# Altium PCB x_pmu_board.pcbdoc (part 3 of 3)
Units mm, origin at the board's own origin, x right, y up, seen from the top; angles counter-clockwise.
Board outline 103 x 86.5 mm, 4 copper layers (Top Layer, GND, Power, Bottom Layer), stack 1.57 mm thick; 226 components, 176 nets, 875 pads, 332 vias.
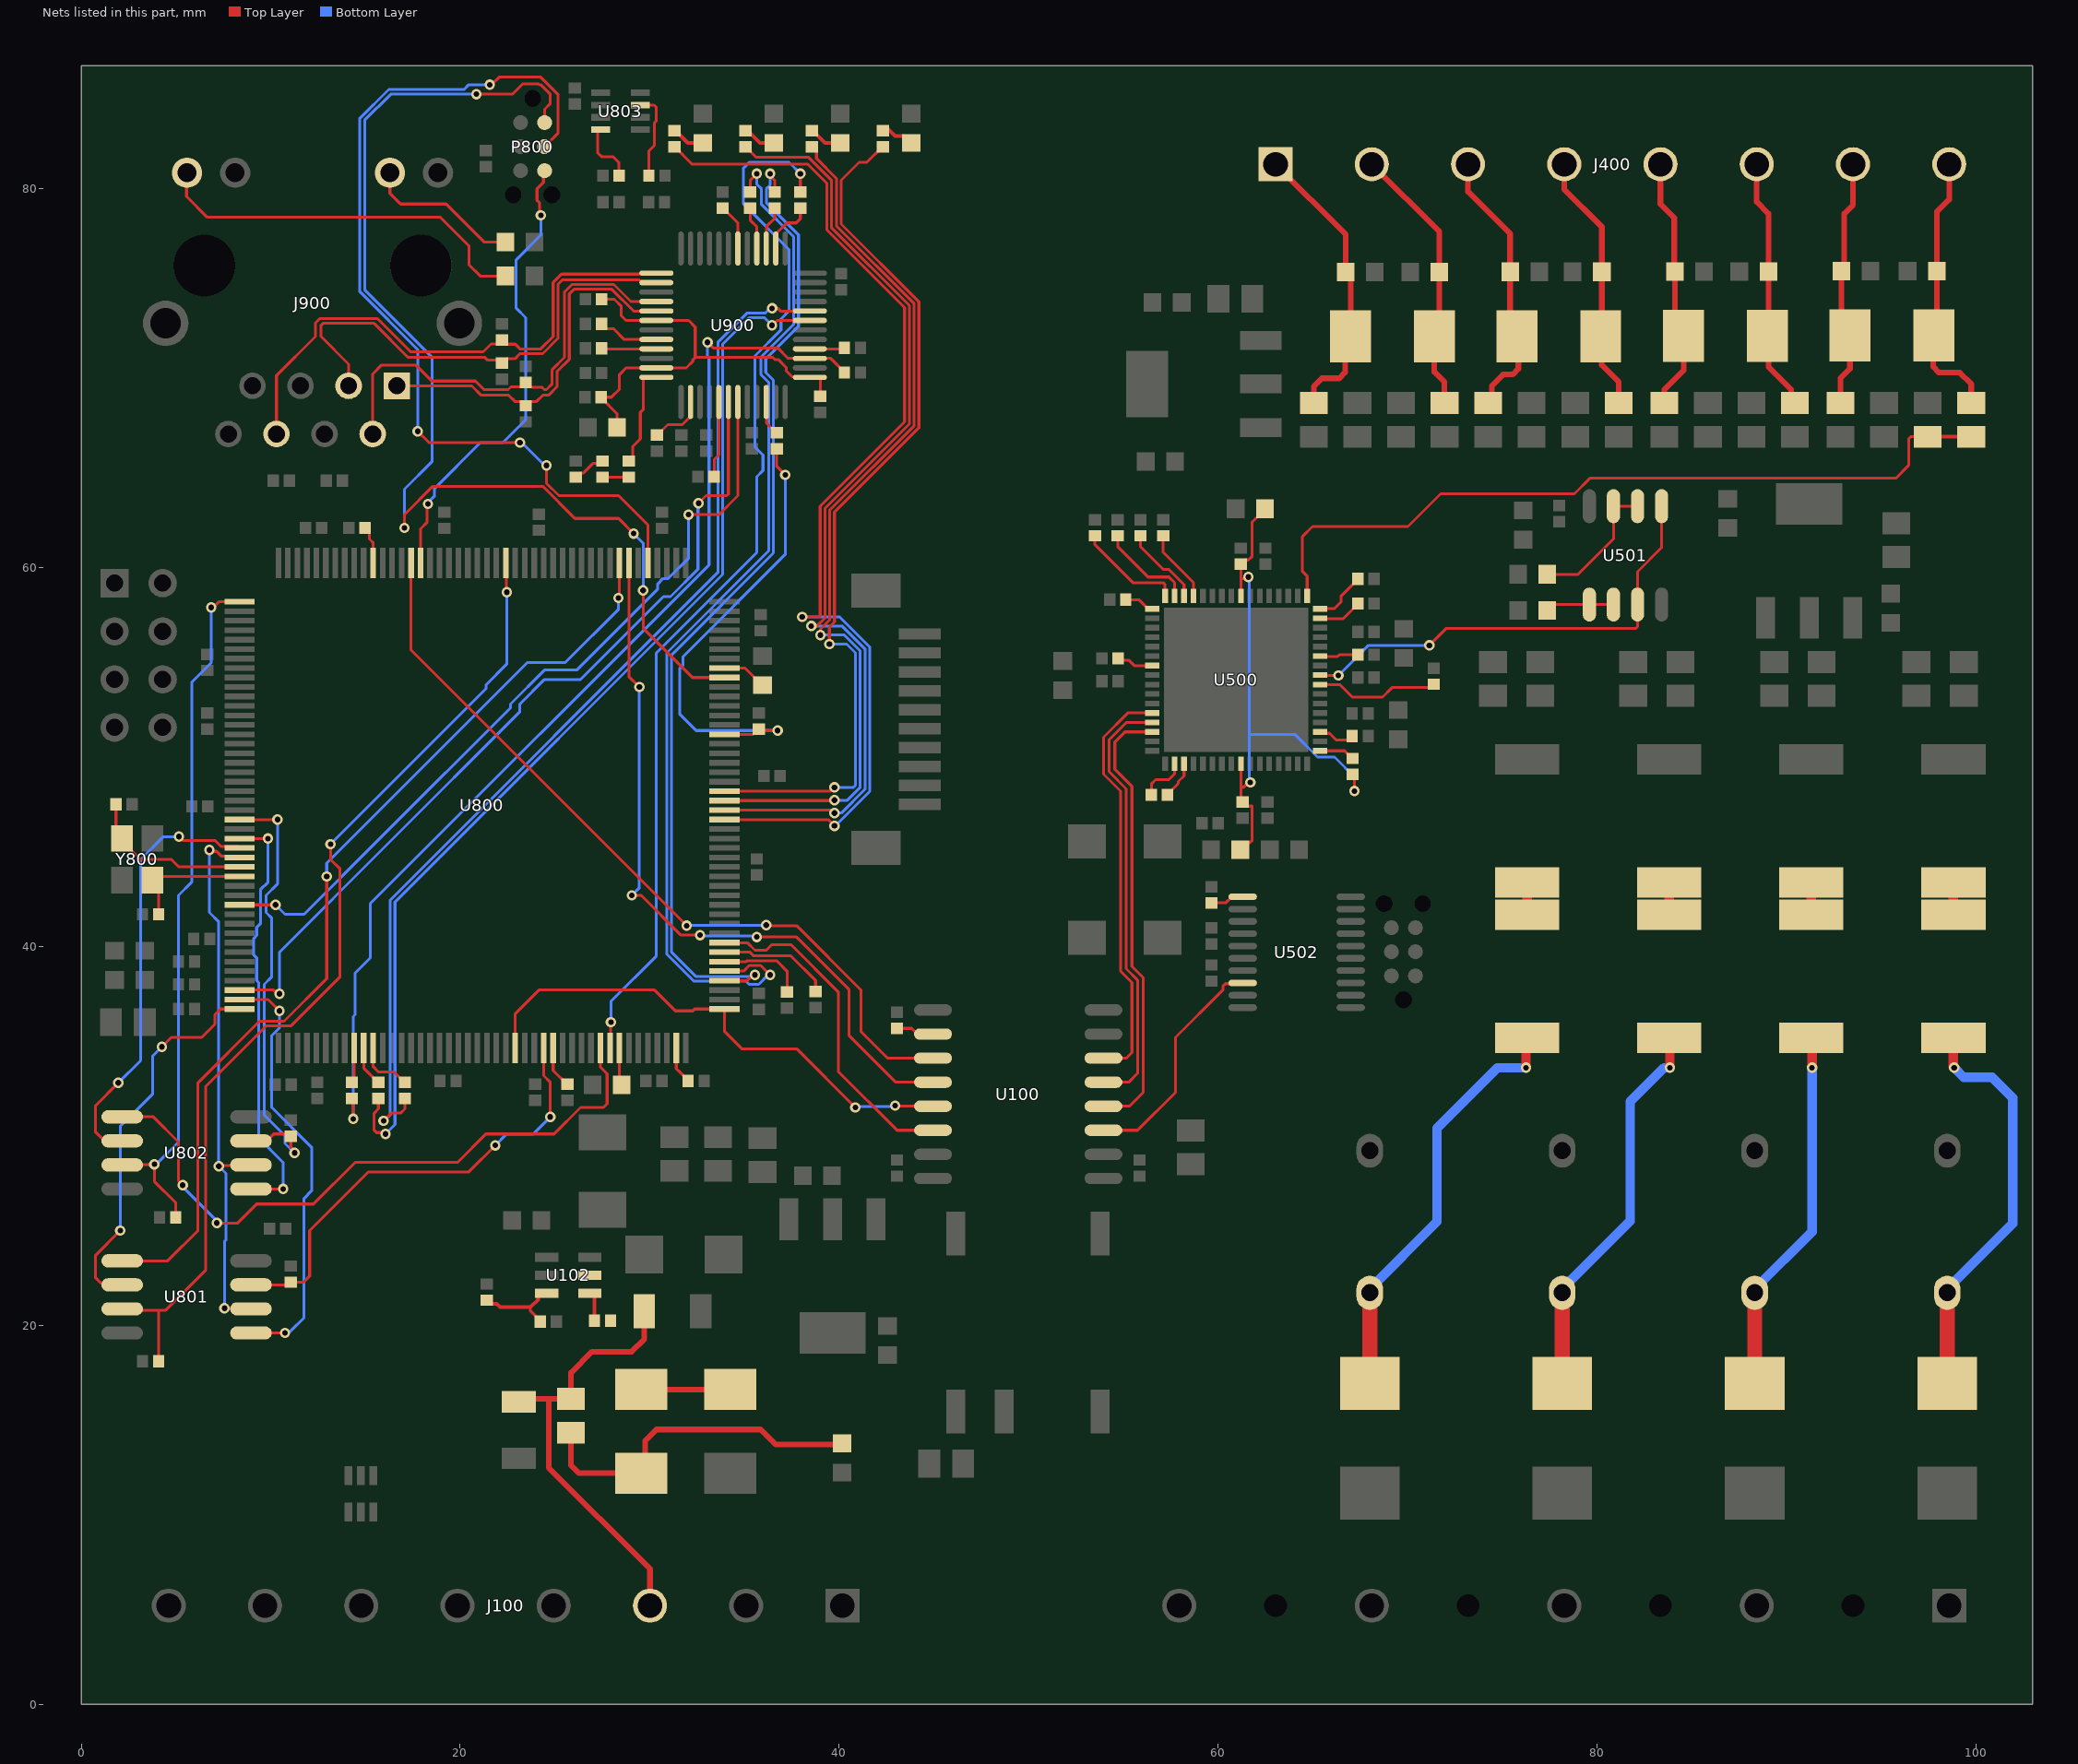
[diagram p5: the nets of this part, all layers, seen from the top]

## Via types
v1: diameter 0.55, hole 0.3, Top Layer to Bottom Layer, 330 vias
v2: diameter 1.27, hole 0.5, Top Layer to Bottom Layer, 2 vias

## Nets (pads, with @x,y where several pads share a name; then routed paths per layer and width w, separated by ;. In a path a pad name is that pad's centre, name@x,y a point inside that pad or via, vN(x,y) a via of type N, cw(c..) or ccw(c..) an arc to the next point about the centre after c; other vN are vias at no path point) (continued)
NetC407_1: C407.1 R415.1 U500.1 | length 41.5
  Top Layer w0.15: U500.1@64.705,58.507 64.705,59.552 64.457,59.8 64.457,61.646 64.983,62.172 70.027,62.172 71.755,63.9 78.811,63.9 79.633,64.722 95.777,64.722 96.455,65.4 96.455,66.8 96.565,66.91 C407.1@97.455,66.91
  Top Layer w0.2: C407.1@97.455,66.91 R415.1@99.755,66.91
NetC505_2: C505.2 U500.51 | length 2
  Top Layer w0.15: U500.51@65.382,51.33 65.457,51.255 65.883,51.255 66.23,50.907 66.88,50.907 C505.2@67.08,51.107
NetC512_2: C512.2 U500.59 | length 2
  Top Layer w0.15: U500.59@65.382,55.33 65.405,55.307 66.305,55.307 66.405,55.407 C512.2@67.38,55.407
NetC515_2: C515.2 U500.23 | length 2
  Top Layer w0.15: C515.2@54.73,55.207 54.83,55.107 55.305,55.107 55.582,54.83 U500.23@56.528,54.83
NetC516_1: C516.1 C517.2 C519.1 C520.2 R506.1 U500.8 U500.41 | length 30.1
  Top Layer w0.15: U500.41@61.205,49.653 61.205,48.407 ; U500.8@61.205,58.507 61.205,59.345 ; C519.1@61.605,45.407 61.807,45.609 61.807,47.156 61.805,47.157 61.805,47.407 61.53,47.407 C516.1@61.305,47.632 61.205,47.732 61.205,48.407 ; v1(61.605,59.507) 61.528,59.431 61.291,59.431 61.205,59.345 ; v1(61.705,48.659) 61.597,48.659 61.345,48.407 61.205,48.407 ; C520.2@62.475,63.107 62.475,63.082 61.805,62.412 61.805,60.607 61.605,60.407 61.43,60.407 C517.2@61.205,60.182 61.205,59.345 ; R506.1@67.105,49.082 67.205,48.982 v1(67.205,48.207)
  Bottom Layer w0.15: v1(61.605,59.507) 61.655,59.457 61.655,51.2 ; v1(61.705,48.659) 61.655,48.709 61.655,51.2 ; v1(67.205,48.207) 67.205,48.95 66.155,50 65.255,50 64.055,51.2 61.655,51.2
NetC800_1: C800.1 U800.125 | length 2.4
  Top Layer w0.15: U800.125@33.955,54.7 35.03,54.7 35.93,53.8 C800.1@35.955,53.8
NetC801_2: C801.2 U800.29 Y800.1 | length 8.8
  Top Layer w0.15: C801.2@1.83,47.5 1.83,46.025 Y800.1@2.155,45.7 2.155,45.575 3.13,44.6 4.755,44.6 5.155,44.2 U800.29@8.355,44.2
NetC802_2: C802.2 U800.30 Y800.3 | length 6.6
  Top Layer w0.15: C802.2@4.08,41.7 4.08,43.175 Y800.3@3.755,43.5 3.955,43.7 U800.30@8.355,43.7
NetC803_1: C803.1 U800.81 | length 2
  Top Layer w0.15: U800.81@28.405,34.65 28.405,32.82 C803.1@28.525,32.7
NetC905_2: C905.2 C906.2 C907.2 C908.2 U900.18 U900.23 U900.37 | length 23.8
  Top Layer w0.15: C906.2@27.455,74.175 28.13,74.175 28.505,73.8 28.505,73.3 28.755,73.05 U900.18@30.355,73.05 32.055,73.05 32.405,72.7 32.405,71.1 ; C907.2@28.275,67.4 28.275,68.13 27.43,68.975 C908.2@27.43,69 27.98,69 28.405,69.425 28.405,70.2 28.755,70.55 U900.23@30.355,70.55 31.93,70.55 32.282,70.902 32.282,70.977 32.405,71.1 ; C905.2@39.005,69.05 39.005,69.99 38.945,70.05 U900.37@38.455,70.05 38.43,70.075 37.53,70.075 37.205,70.4 37.205,70.575 36.803,70.977 36.628,70.977 36.505,71.1 32.405,71.1
NetD100_1: D100.1 D101.2 | length 4.7
  Top Layer w0.3: D100.1@29.555,16.61 D101.2@34.255,16.61
NetD100_2: D100.2 FB100.2 R100.1 | length 18.4
  Top Layer w0.3: FB100.2@25.845,14.33 25.845,12.61 26.255,12.2 29.545,12.2 D100.2@29.555,12.19 29.755,12.39 29.755,13.9 30.355,14.5 35.855,14.5 36.655,13.7 R100.1@40.085,13.7
  Top Layer w0.6: R100.1@40.085,13.7 R100.1@40.155,13.77
NetD400_1: D400.1 J400.2 R402.1 R403.2 | length 14.5
  Top Layer w0.3: J400.2@68.115,81.3 71.68,77.735 R402.1@71.68,75.61 ; R402.1@71.71,75.64 R402.1@71.68,75.61 ; R403.2@71.955,68.69 71.955,69.8 71.42,70.335 D400.1@71.42,72.21 71.68,72.47 R402.1@71.68,75.61
NetD400_2: D400.2 J400.1 R400.2 R401.2 | length 15.6
  Top Layer w0.3: J400.1@63.035,81.3 66.74,77.595 R401.2@66.74,75.61 67,75.35 D400.2@67,72.21 66.71,71.92 66.71,70.31 66.4,70 65.485,70 65.055,69.57 R400.2@65.055,68.69
NetD401_1: D401.1 J400.4 R406.1 R407.2 | length 13.9
  Top Layer w0.3: J400.4@78.275,81.3 78.275,79.98 80.26,77.995 R406.1@80.26,75.62 80.26,72.28 D401.1@80.2,72.22 80.255,72.165 80.255,70.7 81.155,69.8 R407.2@81.155,68.69
NetD401_2: D401.2 J400.3 R404.2 R405.2 | length 14.7
  Top Layer w0.3: J400.3@73.195,81.3 73.195,79.86 75.42,77.635 R405.2@75.42,75.62 75.42,72.58 D401.2@75.78,72.22 75.855,72.145 75.855,70.5 75.555,70.2 75.055,70.2 74.455,69.6 74.455,68.89 R404.2@74.255,68.69
NetD402_1: D402.1 J400.6 R410.1 R411.2 | length 13.5
  Top Layer w0.3: J400.6@88.435,81.3 88.435,79.32 89.055,78.7 R410.1@89.055,75.64 89.055,72.3 D402.1@88.995,72.24 89.055,72.18 89.055,70.6 90.255,69.4 90.255,68.89 R411.2@90.455,68.69
NetD402_2: D402.2 J400.5 R408.2 R409.2 | length 13.5
  Top Layer w0.3: J400.5@83.355,81.3 83.355,79.2 84.085,78.47 84.085,75.67 R409.2@84.115,75.64 84.115,72.7 D402.2@84.575,72.24 84.575,70.42 83.555,69.4 R408.2@83.555,68.69
NetD403_1: D403.1 J400.8 R414.1 R415.2 | length 14.4
  Top Layer w0.3: J400.8@98.595,81.3 98.595,79.44 97.94,78.785 R414.1@97.94,75.66 97.94,72.42 D403.1@97.78,72.26 97.755,72.235 97.755,70.6 98.055,70.3 99.155,70.3 99.755,69.7 R415.2@99.755,68.69
NetD403_2: D403.2 J400.7 R412.2 R413.2 | length 14
  Top Layer w0.3: R412.2@92.855,68.69 92.855,70 93.36,70.505 D403.2@93.36,72.26 ; J400.7@93.515,81.3 93.515,79.16 93.055,78.7 93.055,75.815 R413.2@92.9,75.66 92.9,72.72 D403.2@93.36,72.26 ; D403.2@93.87,71.75 D403.2@93.36,72.26
NetD800_A: D800.A R802.1 | length 1.8
  Top Layer w0.2: R802.1@42.315,83.14 42.615,83.14 42.96,82.795 43.44,82.795 D800.A@43.805,82.43
NetD801_A: D801.A R803.1 | length 1.8
  Top Layer w0.2: R803.1@38.555,83.065 38.63,83.065 39.265,82.43 D801.A@40.055,82.43
NetD802_A: D802.A R804.1 | length 1.7
  Top Layer w0.2: R804.1@35.115,83.14 35.825,82.43 D802.A@36.555,82.43
NetD803_A: D803.A R806.1 | length 1.7
  Top Layer w0.2: R806.1@31.315,83.04 31.405,83.04 32.015,82.43 D803.A@32.805,82.43
NetF300_2: F300.2 R300.1 VR303.2 | length 21.8
  Top Layer w0.5: R300.1@98.815,35.175 98.815,33.654 98.855,33.614 v1(98.855,33.6)
  Top Layer w0.8: F300.2@98.49,16.94 VR303.2@98.49,21.72
  Bottom Layer w0.5: VR303.2@98.49,21.72 98.49,21.92 101.955,25.385 101.955,32 100.855,33.1 99.355,33.1 v1(98.855,33.6)
NetF301_2: F301.2 R303.1 VR302.2 | length 19.5
  Top Layer w0.5: R303.1@91.315,35.175 91.355,35.135 v1(91.355,33.6)
  Top Layer w0.8: F301.2@88.33,16.94 VR302.2@88.33,21.72
  Bottom Layer w0.5: VR302.2@88.33,21.72 88.33,21.92 91.355,24.945 v1(91.355,33.6)
NetF302_2: F302.2 R306.1 VR301.2 | length 20.8
  Top Layer w0.5: R306.1@83.815,35.175 83.855,35.135 v1(83.855,33.6)
  Top Layer w0.8: F302.2@78.17,16.94 VR301.2@78.17,21.72
  Bottom Layer w0.5: VR301.2@78.17,21.72 78.17,21.92 81.755,25.505 81.755,31.8 83.555,33.6 v1(83.855,33.6)
NetF303_2: F303.2 R309.1 VR300.2 | length 22.6
  Top Layer w0.5: v1(76.255,33.6) 76.255,35.115 R309.1@76.315,35.175
  Top Layer w0.8: F303.2@68.01,16.94 VR300.2@68.01,21.72
  Bottom Layer w0.5: VR300.2@68.01,21.72 68.01,21.92 71.555,25.465 71.555,30.4 74.755,33.6 v1(76.255,33.6)
NetJ900_10: J900.10 R917.2 | length 8.2
  Top Layer w0.15: J900.10@16.29,80.85 16.29,79.765 16.855,79.2 19.255,79.2 21.255,77.2 R917.2@22.385,77.2
NetJ900_12: J900.12 R918.2 | length 20.4
  Top Layer w0.15: J900.12@5.58,80.85 5.555,80.825 5.555,79.6 6.655,78.5 18.955,78.5 20.455,77 20.455,76 21.055,75.4 R918.2@22.385,75.4
NetR101_1: R101.1 U800.95 | length 6
  Top Layer w0.15: U800.95@33.955,39.7 35.299,39.7 35.496,39.503 37.452,39.503 38.755,38.2 R101.1@38.755,37.625
NetR102_1: R102.1 U800.94 | length 4.6
  Top Layer w0.15: U800.94@33.955,39.2 35.099,39.2 35.151,39.252 36.703,39.252 37.255,38.7 R102.1@37.255,37.6
NetR103_1: R103.1 U100.10 | length 2
  Top Layer w0.15: R103.1@43.055,35.675 43.833,35.675 44.133,35.375 U100.10@44.955,35.375
NetR104_1: R104.1 U800.87 | length 2
  Top Layer w0.15: U800.87@31.405,34.65 31.405,33.55 31.593,33.362 32.03,32.925 R104.1@32.03,32.9
NetR106_1: R106.1 U102.4 | length 1.6
  Top Layer w0.2: U102.4@26.851,21.692 26.929,21.692 27.083,21.538 R106.1@27.083,20.242
NetR107_1: R107.1 R108.1 U102.3 | length 4.7
  Top Layer w0.15: 23.708,20.952 23.708,20.747 24.23,20.225 R108.1@24.23,20.2
  Top Layer w0.2: R107.1@21.408,21.327 21.608,21.127 21.933,21.127 22.108,20.952 23.708,20.952 24.108,21.352 24.108,21.538 24.262,21.692 U102.3@24.565,21.692
NetR300_2: R300.2 R301.1 | length 2
  Top Layer w0.5: R300.2@98.815,41.525 R301.1@98.815,43.525
NetR303_2: R303.2 R304.1 | length 2
  Top Layer w0.5: R303.2@91.315,41.525 R304.1@91.315,43.525
NetR306_2: R306.2 R307.1 | length 2
  Top Layer w0.5: R306.2@83.815,41.525 R307.1@83.815,43.525
NetR309_2: R309.2 R310.1 | length 2
  Top Layer w0.5: R309.2@76.315,41.525 R310.1@76.315,43.525
NetR500_1: R500.1 U501.1 U501.2 | length 3.6
  Top Layer w0.15: R500.1@77.38,57.75 77.68,58.05 U501.1@79.605,58.05 U501.2@80.875,58.05
NetR501_1: R501.1 U501.6 U501.7 | length 7.3
  Top Layer w0.15: R501.1@77.38,59.65 79.01,59.65 80.875,61.515 U501.7@80.875,63.25 U501.6@82.145,63.25
NetR502_1: R502.1 U500.17 | length 1.6
  Top Layer w0.15: R502.1@55.13,58.307 55.823,58.307 56.3,57.83 U500.17@56.528,57.83
NetR503_2: R503.2 U500.64 | length 2.8
  Top Layer w0.15: U500.64@65.382,57.83 66.128,57.83 66.505,58.207 66.505,58.507 67.38,59.382 R503.2@67.38,59.407
NetR504_1: R504.1 U500.34 | length 2.6
  Top Layer w0.15: R504.1@56.48,48.007 56.493,48.02 56.493,48.607 56.505,48.607 56.705,48.807 57.405,48.807 57.705,49.107 U500.34@57.705,49.653
NetR504_2: R504.2 U500.35 | length 2
  Top Layer w0.15: R504.2@57.33,48.007 57.33,48.032 57.905,48.607 57.905,48.707 58.205,49.007 U500.35@58.205,49.653
NetR505_2: R505.2 U500.63 | length 2.4
  Top Layer w0.15: U500.63@65.382,57.33 65.405,57.307 66.605,57.307 67.38,58.082 R505.2@67.38,58.107
NetR506_2: R506.2 U500.49 | length 1.9
  Top Layer w0.15: U500.49@65.382,50.33 66.682,50.33 67.08,49.932 R506.2@67.105,49.932
NetR507_1: R507.1 U500.13 | length 3.8
  Top Layer w0.15: R507.1@57.105,61.682 57.105,60.807 58.705,59.207 U500.13@58.705,58.507
NetR508_1: R508.1 U500.14 | length 4.3
  Top Layer w0.15: R508.1@55.905,61.682 55.905,61.107 57.105,59.907 57.405,59.907 58.205,59.107 U500.14@58.205,58.507
NetR509_1: R509.1 U500.15 | length 5.1
  Top Layer w0.15: R509.1@54.705,61.682 54.705,61.107 56.305,59.507 57.405,59.507 57.705,59.207 U500.15@57.705,58.507
NetR510_1: R510.1 U500.16 | length 5.6
  Top Layer w0.15: R510.1@53.505,61.682 53.505,61.207 55.505,59.207 57.105,59.207 57.205,59.107 U500.16@57.205,58.507
NetR512_2: R512.2 U502.1 | length 1.8
  Top Layer w0.15: R512.2@59.655,42.3 60.405,42.3 60.73,42.625 U502.1@61.305,42.625
NetR513_1: R513.1 U500.56 | length 6.2
  Top Layer w0.15: U500.56@65.382,53.83 66.425,53.83 67.085,53.17 68.685,53.17 69.185,53.67 R513.1@71.11,53.67
NetR800_1: R800.1 U800.166 | length 2
  Top Layer w0.15: R800.1@14.98,62.1 15.205,61.875 15.205,61.512 15.405,61.312 U800.166@15.405,60.25
NetR801_1: R801.1 R916.1 U800.118 | length 25
  Top Layer w0.15: U800.118@33.955,51.2 35.455,51.2 R801.1@35.655,51.4 ; R801.1@35.755,51.475 35.73,51.475 R801.1@35.655,51.4 ; R916.1@36.705,66.275 36.705,65.725 36.705,65.35 v1(37.155,64.9) ; v1(36.755,51.4) R801.1@35.655,51.4
  Bottom Layer w0.15: v1(36.755,51.4) 32.455,51.4 31.578,52.277 31.578,54.663 31.755,54.84 31.755,55.3 37.155,60.7 v1(37.155,64.9)
NetR802_2: R802.2 U800.112 | length 46.7
  Top Layer w0.15: U800.112@33.955,48.2 39.555,48.2 v1(39.755,48.4) ; v1(39.49,55.965) 39.489,55.966 39.489,56.866 39.755,57.133 39.755,62.933 44.21,67.387 44.21,74.045 40.11,78.145 40.11,80.455 41.055,81.4 41.465,81.4 42.28,82.215 R802.2@42.305,82.215
  Bottom Layer w0.15: v1(39.49,55.965) 40.397,55.965 40.862,55.5 40.862,48.507 40.755,48.4 v1(39.755,48.4)
NetR803_2: R803.2 U800.111 | length 47.2
  Top Layer w0.15: U800.111@33.955,47.7 39.732,47.7 v1(39.755,47.723) ; R803.2@38.555,82.215 38.58,82.215 38.805,81.99 38.805,81.606 39.858,80.553 39.858,78.041 43.958,73.941 43.958,67.492 39.503,63.037 39.503,57.237 39.011,56.745 v1(39.011,56.444)
  Bottom Layer w0.15: v1(39.011,56.444) 40.274,56.444 41.114,55.604 41.114,48.403 40.434,47.723 v1(39.755,47.723)
NetR804_2: R804.2 U800.110 | length 51.6
  Top Layer w0.15: U800.110@33.955,47.2 39.601,47.2 v1(39.755,47.046) ; R804.2@35.055,82.215 35.08,82.215 35.63,81.665 38.39,81.665 39.607,80.448 39.607,77.937 43.707,73.837 43.707,67.596 39.252,63.141 39.252,57.341 38.833,56.922 v1(38.533,56.922)
  Bottom Layer w0.15: v1(38.533,56.922) 40.151,56.922 41.365,55.708 41.365,48.299 40.113,47.046 v1(39.755,47.046)
NetR806_2: R806.2 U800.109 | length 56.6
  Top Layer w0.15: R806.2@31.305,82.215 31.33,82.215 32.245,81.3 38.355,81.3 39.355,80.3 39.355,77.833 43.455,73.733 43.455,67.7 39,63.245 39,57.445 38.955,57.4 38.055,57.4 v1(38.054,57.401) ; U800.109@33.955,46.7 39.424,46.7 v1(39.755,46.369)
  Bottom Layer w0.15: v1(38.054,57.401) 40.028,57.401 41.617,55.813 41.617,48.194 39.791,46.369 v1(39.755,46.369)
NetR809_1: R809.1 R908.2 U900.39 | length 57.8
  Top Layer w0.15: R809.1@14.28,31.975 14.355,31.9 v1(14.355,30.9) ; v1(33.055,71.9) 33.355,71.6 36.755,71.6 37.305,71.05 U900.39@38.455,71.05 39.555,71.05 39.73,70.875 40.28,70.325 R908.2@40.28,70.3
  Bottom Layer w0.15: v1(14.355,30.9) 14.355,36.3 14.455,36.4 14.455,38.6 15.255,39.4 15.255,42.27 33.132,60.147 33.132,71.059 33.055,71.136 v1(33.055,71.9)
NetR809_2: R809.2 U800.53 | length 1.9
  Top Layer w0.15: R809.2@14.28,32.825 14.405,32.95 U800.53@14.405,34.65
NetR810_1: R810.1 U900.43 | length 57
  Top Layer w0.15: R810.1@15.68,31.975 15.68,31.425 15.455,31.2 15.455,30.3 15.578,30.177 15.978,30.177 v1(16.055,30.1) ; v1(36.455,72.8) 36.493,72.8 36.743,73.05 U900.43@38.455,73.05
  Bottom Layer w0.15: v1(16.055,30.1) 16.555,30.6 16.555,42.344 33.855,59.644 33.855,71.8 35.255,73.2 36.055,73.2 v1(36.455,72.8)
NetR810_2: R810.2 U800.54 | length 2.2
  Top Layer w0.15: U800.54@14.905,34.65 14.905,33.575 15.655,32.825 R810.2@15.68,32.825
NetR811_1: R811.1 U900.44 | length 56
  Top Layer w0.15: v1(15.955,30.8) 16.355,31.2 16.855,31.2 17.08,31.425 R811.1@17.08,31.975 ; v1(36.462,73.693) 36.762,73.693 36.905,73.55 U900.44@38.455,73.55
  Bottom Layer w0.15: v1(15.955,30.8) 16.003,30.8 16.303,31.1 16.303,42.448 33.603,59.748 33.603,71.904 35.151,73.452 36.113,73.452 36.354,73.693 v1(36.462,73.693)
NetR811_2: R811.2 U800.55 | length 3
  Top Layer w0.15: U800.55@15.405,34.65 15.405,33.65 15.68,33.375 16.505,33.375 17.055,32.825 R811.2@17.08,32.825
NetR820_2: R820.2 U803.5 | length 3.3
  Top Layer w0.15: U803.5@27.405,83.125 27.355,83.125 27.255,83.025 27.255,81.9 27.455,81.7 28.055,81.7 28.38,81.375 R820.2@28.38,80.7
NetR821_2: R821.2 U803.2 | length 4.7
  Top Layer w0.15: U803.2@29.505,84.425 30.23,84.425 30.355,84.3 30.355,83.6 30.255,83.5 30.255,82.3 29.955,82 R821.2@29.955,80.7
NetR822_2: R822.2 U800.74 | length 2.3
  Top Layer w0.15: U800.74@24.905,34.65 24.905,33.45 25.63,32.725 R822.2@25.655,32.725
NetR900_1: R900.1 U800.80 | length 56.1
  Top Layer w0.15: U800.80@27.905,34.65 27.93,34.675 27.93,35.975 v1(27.955,36) ; R900.1@37.955,79.825 v1(37.955,80.8)
  Bottom Layer w0.15: v1(27.955,36) 27.955,37.1 30.355,39.5 30.355,55.5 35.655,60.8 35.655,64.8 35.98,65.125 35.98,65.945 35.555,66.37 35.555,71.177 36.932,72.554 36.932,73.13 37.352,73.55 37.352,76.803 34.955,79.2 34.955,81.1 35.255,81.4 37.355,81.4 v1(37.955,80.8)
NetR900_2: R900.2 U900.2 | length 2.9
  Top Layer w0.15: U900.2@36.655,76.85 36.655,77.61 37.245,78.2 37.73,78.2 37.955,78.425 R900.2@37.955,78.975
NetR901_1: R901.1 U800.92 | length 52.8
  Top Layer w0.15: U800.92@33.955,38.2 35.148,38.2 35.448,38.5 v1(35.555,38.5) ; v1(36.355,80.8) 36.355,80.692 36.605,80.442 R901.1@36.605,79.825
  Bottom Layer w0.15: v1(35.555,38.5) 35.479,38.424 32.431,38.424 31.155,39.7 31.155,55.4 36.533,60.778 36.533,69.898 36.128,70.302 36.128,71.017 37.855,72.744 37.855,77.574 36.155,79.274 36.155,80 36.355,80.2 v1(36.355,80.8)
NetR901_2: R901.2 U900.3 | length 2.3
  Top Layer w0.15: U900.3@36.155,76.85 36.155,78 36.605,78.45 R901.2@36.605,78.975
NetR902_1: R902.1 U800.93 | length 55.3
  Top Layer w0.15: U800.93@33.955,38.7 34.955,38.7 35.255,39 35.855,39 v1(36.355,38.5) ; R902.1@35.305,79.825 35.305,80.443 35.655,80.793 v1(35.655,80.8)
  Bottom Layer w0.15: v1(35.655,80.8) 35.655,80.248 35.903,80 35.903,79.169 37.603,77.469 37.603,72.848 35.876,71.121 35.876,70.198 36.281,69.793 36.281,60.882 30.903,55.504 30.903,39.596 32.327,38.172 35.083,38.172 35.255,38 35.755,38 36.255,38.5 v1(36.355,38.5)
NetR902_2: R902.2 U900.4 | length 2.3
  Top Layer w0.15: R902.2@35.305,78.975 35.305,78.35 35.655,78 U900.4@35.655,76.85
NetR903_2: R903.2 U900.6 | length 2.5
  Top Layer w0.15: R903.2@33.855,78.975 33.88,78.975 34.655,78.2 U900.6@34.655,76.85
NetR909_1: R909.1 U900.21 | length 2.9
  Top Layer w0.15: R909.1@27.455,71.575 27.48,71.55 U900.21@30.355,71.55
NetR910_1: R910.1 U900.20 | length 2.9
  Top Layer w0.15: R910.1@27.68,72.625 28.08,72.625 28.655,72.05 U900.20@30.355,72.05
NetR911_2: R911.2 U900.40 | length 1.8
  Top Layer w0.15: U900.40@38.455,71.55 40.23,71.55 R911.2@40.28,71.6
NetR914_1: R914.1 U900.26 | length 2.9
  Top Layer w0.15: R914.1@30.38,67 30.405,67 30.955,67.55 31.715,67.55 32.155,67.99 U900.26@32.155,68.75
NetR915_2: R915.2 U900.29 | length 4.1
  Top Layer w0.15: R915.2@33.405,64.8 33.405,65.7 33.655,65.95 U900.29@33.655,68.75
NetR916_2: R916.2 U900.34 | length 1.9
  Top Layer w0.15: U900.34@36.155,68.75 36.155,67.65 36.68,67.125 R916.2@36.705,67.125
NetR919_1: R919.1 R920.2 | length 1.4
  Top Layer w0.15: R920.2@27.505,64.775 R919.1@28.905,64.775
NetR919_2: R919.2 U900.24 | length 5.4
  Top Layer w0.15: R919.2@28.905,65.625 29.105,65.825 29.105,66.4 29.505,66.8 29.505,68.2 29.67,68.365 29.67,69.99 29.73,70.05 U900.24@30.355,70.05
NetR920_1: R920.1 R921.2 | length 1.8
  Top Layer w0.15: R921.2@26.105,64.775 26.33,65 26.505,65 26.605,65.1 27.005,65.5 27.38,65.5 R920.1@27.505,65.625
NetU100_3: U100.3 U502.8 | length 12.4
  Top Layer w0.15: U100.3@53.955,30.295 55.75,30.295 57.755,32.3 57.755,35.2 60.255,37.7 60.255,37.9 60.392,38.037 61.267,38.037 U502.8@61.305,38.075
NetU100_4: U100.4 U500.30 | length 23.7
  Top Layer w0.15: U100.4@53.955,31.565 55.32,31.565 56.055,32.3 56.055,38.349 55.455,38.949 55.455,48.449 54.555,49.349 54.555,50.8 55.085,51.33 U500.30@56.528,51.33
NetU100_5: U100.5 U500.29 | length 22.9
  Top Layer w0.15: U100.5@53.955,32.835 55.29,32.835 55.755,33.3 55.755,38.224 55.155,38.824 55.155,48.324 54.255,49.224 54.255,50.924 55.161,51.83 U500.29@56.528,51.83
NetU100_6: U100.6 U500.28 | length 22
  Top Layer w0.15: U100.6@53.955,34.105 55.16,34.105 55.455,34.4 55.455,38.1 54.855,38.7 54.855,48.2 53.955,49.1 53.955,51.049 55.236,52.33 U500.28@56.528,52.33
NetU100_11: U100.11 U800.162 | length 42.4
  Top Layer w0.15: U800.162@17.405,60.25 17.405,55.65 v1(31.955,41.1) ; v1(36.152,41.129) 36.18,41.1 37.755,41.1 41.155,37.7 41.155,35.5 42.55,34.105 U100.11@44.955,34.105
  Bottom Layer w0.15: v1(31.955,41.1) 31.969,41.114 36.137,41.114 v1(36.152,41.129)
NetU100_12: U100.12 U800.139 | length 39.3
  Top Layer w0.15: U800.139@28.905,60.25 28.905,54.25 v1(29.455,53.7) ; v1(29.055,42.7) 29.555,42.7 31.655,40.6 v1(32.655,40.6) ; v1(35.655,40.5) 37.755,40.5 40.516,37.739 40.516,35.319 42.999,32.835 U100.12@44.955,32.835
  Bottom Layer w0.15: v1(29.055,42.7) 29.455,43.1 v1(29.455,53.7) ; v1(32.655,40.6) 32.705,40.55 35.605,40.55 v1(35.655,40.5)
NetU100_13: U100.13 U800.70 U800.89 | length 27.8
  Top Layer w0.15: U800.70@22.905,34.65 22.905,36.45 24.155,37.7 30.255,37.7 31.355,36.6 32.28,36.6 32.38,36.7 U800.89@33.955,36.7 33.955,35.5 34.855,34.6 37.755,34.6 v1(40.855,31.5) ; v1(42.955,31.6) 42.973,31.582 44.938,31.582 U100.13@44.955,31.565
  Bottom Layer w0.15: v1(40.855,31.5) 40.905,31.55 42.905,31.55 v1(42.955,31.6)
NetU100_14: U100.14 U800.96 | length 17.8
  Top Layer w0.15: U800.96@33.955,40.2 35.155,40.2 35.555,39.8 36.155,39.8 36.455,40.1 37.455,40.1 39.955,37.6 39.955,33.4 43.06,30.295 U100.14@44.955,30.295
NetU500_57: U500.57 U501.3 U501.5 | length 24.7
  Top Layer w0.15: U500.57@65.382,54.33 65.394,54.318 66.344,54.318 v1(66.355,54.307) ; v1(71.155,55.9) 72.055,56.8 82.057,56.8 82.145,56.888 82.145,59.79 83.415,61.06 U501.5@83.415,63.25
  Bottom Layer w0.15: v1(66.355,54.307) 67.948,55.9 v1(71.155,55.9)
NetU800_33: U800.33 U900.31 | length 42.2
  Top Layer w0.15: U800.33@8.355,42.2 v1(10.255,42.2) ; v1(32.055,62.8) 33.655,62.8 34.655,63.8 U900.31@34.655,68.75
  Bottom Layer w0.15: v1(10.255,42.2) 10.755,41.7 11.755,41.7 15.855,45.8 22.655,52.6 22.655,52.8 24.45,54.595 26.15,54.595 30.428,58.873 30.428,59.148 30.707,59.427 30.982,59.427 32.055,60.5 v1(32.055,62.8)
NetU800_42: U800.42 U900.30 | length 45.2
  Top Layer w0.15: U800.42@8.355,37.7 10.147,37.7 10.347,37.5 v1(10.455,37.5) ; v1(32.578,63.4) 32.978,63.8 34.067,63.8 34.155,63.888 U900.30@34.155,68.75
  Bottom Layer w0.15: v1(10.455,37.5) 10.455,39.7 16.155,45.4 23.15,52.395 23.15,52.8 24.45,54.1 26.355,54.1 30.728,58.473 31.103,58.473 32.55,59.92 32.55,63.372 v1(32.578,63.4)
QSPI_B1_D0: U800.26 U802.5 | length 22.7
  Top Layer w0.15: U800.26@8.355,45.7 v1(9.855,45.7) ; U802.5@8.955,27.195 8.958,27.197 10.653,27.197 v1(10.655,27.2)
  Bottom Layer w0.15: v1(9.855,45.7) 9.855,43.4 9.455,43 9.455,41.2 9.255,41 9.255,40.578 9.101,40.424 9.101,39.554 9.255,39.4 9.255,38.2 9.355,38.1 9.355,29.9 10.655,28.6 v1(10.655,27.2)
QSPI_B1_D1: U800.27 U802.2 | length 22.9
  Top Layer w0.15: v1(1.955,32.8) 0.755,31.6 0.755,30.2 1.056,29.899 1.092,29.899 1.256,29.735 U802.2@2.155,29.735 ; v1(5.155,45.8) 5.355,45.6 7.055,45.6 7.38,45.275 8.28,45.275 U800.27@8.355,45.2
  Bottom Layer w0.15: v1(1.955,32.8) 3.13,33.975 3.13,44.6 4.33,45.8 v1(5.155,45.8)
QSPI_B1_D2: R814.2 U800.1 U802.3 | length 37.3
  Top Layer w0.15: U802.3@2.155,28.465 2.173,28.483 v1@3.838,28.483 ; v1(3.855,28.5) v1@3.838,28.483 ; R814.2@4.98,25.7 4.98,26.475 3.855,27.6 3.855,28.465 v1@3.838,28.483 ; v1(6.855,57.9) 6.962,57.9 7.262,58.2 U800.1@8.355,58.2
  Bottom Layer w0.15: v1(3.855,28.5) 3.955,28.5 5.13,29.675 5.13,42.7 5.828,43.399 5.828,53.949 6.855,54.975 v1(6.855,57.9)
QSPI_B1_D3: R813.1 U800.24 U802.7 | length 24.1
  Top Layer w0.15: U800.24@8.355,46.7 v1(10.355,46.7) ; U802.7@8.955,29.735 9.788,29.735 10.153,30.1 10.93,30.1 R813.1@11.055,29.975 11.055,29.408 11.255,29.208 v1(11.255,29.1)
  Bottom Layer w0.15: v1(10.355,46.7) 10.355,43.3 9.755,42.7 9.755,41.8 10.055,41.5 10.055,38.4 9.655,38 9.655,31.1 10.755,30 10.755,29.6 v1(11.255,29.1)
QSPI_B1_nCS: U800.79 U802.1 | length 34.9
  Top Layer w0.15: U802.1@2.155,31.005 3.8,31.005 5.13,29.675 5.13,27.625 v1(5.355,27.4) ; v1(7.155,25.4) 8.255,25.4 9.255,26.4 12.255,26.4 14.455,28.6 19.855,28.6 21.355,30.1 24.955,30.1 26.355,31.5 27.555,31.5 27.755,31.7 27.755,33.275 27.405,33.625 U800.79@27.405,34.65
  Bottom Layer w0.15: v1(5.355,27.4) 5.355,27.3 7.155,25.5 v1(7.155,25.4)
QSPI_B2_D0: U800.43 U801.5 | length 22.9
  Top Layer w0.15: U800.43@8.355,37.2 9.855,37.2 v1(10.455,36.6) ; U801.5@8.955,19.595 8.958,19.597 10.753,19.597 v1(10.755,19.6)
  Bottom Layer w0.15: v1(10.455,36.6) 10.455,35.7 10.055,35.3 10.055,31.5 12.155,29.4 12.155,27.1 11.755,26.7 11.755,20.4 11.032,19.677 10.832,19.677 v1(10.755,19.6)
QSPI_B2_D1: U800.44 U801.2 | length 20.4
  Top Layer w0.15: v1(2.055,25) 0.755,23.7 0.755,22.5 1.015,22.24 2.05,22.24 U801.2@2.155,22.135 ; v1(4.255,34.7) 4.755,35.2 6.355,35.2 7.055,35.9 7.055,36.4 7.355,36.7 U800.44@8.355,36.7
  Bottom Layer w0.15: v1(2.055,25) 2.055,30.5 3.755,32.2 3.755,34.2 v1(4.255,34.7)
QSPI_B2_D2: R808.2 U800.152 U801.3 | length 53.1
  Top Layer w0.15: U801.3@2.155,20.865 2.22,20.8 4.055,20.8 ; R808.2@4.08,18.1 4.08,20.775 4.055,20.8 ; v1(13.155,45.4) 13.155,44.6 13.655,44.1 13.655,38.4 11.055,35.8 9.755,35.8 6.555,32.6 6.555,22.9 4.455,20.8 4.055,20.8 ; U800.152@22.405,60.25 22.43,60.225 22.43,58.725 v1(22.455,58.7)
  Bottom Layer w0.15: v1(13.155,45.4) 21.355,53.6 21.355,53.8 22.455,54.9 v1(22.455,58.7)
QSPI_B2_D3: R807.1 U800.73 U801.7 | length 24.7
  Top Layer w0.15: U801.7@8.955,22.135 10.915,22.135 R807.1@11.055,22.275 11.73,22.275 12.055,22.6 12.055,25 15.155,28.1 20.455,28.1 v1(21.855,29.5) ; U800.73@24.405,34.65 24.405,33.18 24.755,32.83 v1(24.755,31.005)
  Bottom Layer w0.15: v1(21.855,29.5) 22.455,30.1 23.855,30.1 24.755,31 v1(24.755,31.005)
QSPI_B2_nCS: U800.140 U801.1 | length 51.1
  Top Layer w0.15: U801.1@2.155,23.405 4.56,23.405 6.155,25 6.155,32.8 9.407,36.052 10.707,36.052 12.955,38.3 v1(12.955,43.7) ; v1(28.355,58.4) 28.405,58.45 U800.140@28.405,60.25
  Bottom Layer w0.15: v1(12.955,43.7) 12.955,44.4 23.555,55 25.555,55 28.355,57.8 v1(28.355,58.4)
QSPI_CLK: U800.28 U801.6 U802.6 | length 29.5
  Top Layer w0.15: v1(6.755,45.1) 6.832,45.023 7.132,45.023 7.38,44.775 8.28,44.775 U800.28@8.355,44.7 ; v1(7.255,28.4) 7.288,28.433 8.923,28.433 U802.6@8.955,28.465 ; v1(7.555,20.9) 7.573,20.882 8.937,20.882 U801.6@8.955,20.865
  Bottom Layer w0.15: v1(6.755,45.1) 6.755,41.8 7.255,41.3 v1(7.255,28.4) 7.632,28.023 7.632,24.5 7.555,24.423 v1(7.555,20.9)
RX_N: J900.6 R905.1 U900.13 | length 29.3
  Top Layer w0.15: J900.6@10.3,67.06 10.3,70.145 12.355,72.2 12.355,72.923 12.584,73.152 15.626,73.152 17.378,71.4 21.218,71.4 21.63,71.813 21.992,71.813 R905.1@22.205,72.025 22.43,71.8 22.907,71.8 23.155,71.552 24.251,71.552 24.905,72.206 24.905,75.056 25.349,75.5 29.453,75.5 29.478,75.525 30.33,75.525 U900.13@30.355,75.55
RX_P: J900.3 R904.1 U900.14 | length 26
  Top Layer w0.15: J900.3@14.11,69.6 14.11,70.743 12.654,72.199 12.654,72.799 12.755,72.9 15.455,72.9 17.254,71.101 21.304,71.101 21.455,70.95 22.055,70.95 R904.1@22.205,70.8 22.43,71.025 22.88,71.025 23.155,71.3 24.355,71.3 25.157,72.102 25.157,74.952 25.408,75.203 29.442,75.203 29.595,75.05 U900.14@30.355,75.05
SWCLK: P800.4 U800.137 | length 49.3
  Top Layer w0.15: v1(17.755,67.2) 18.355,66.6 v1(23.155,66.6) ; v1(21.555,85.5) 21.655,85.5 22.055,85.9 24.255,85.9 25.155,85 25.155,82.93 P800.4@24.455,82.23 ; v1(24.555,65.4) 24.555,64.456 25.211,63.8 28.355,63.8 29.905,62.25 U800.137@29.905,60.25
  Bottom Layer w0.15: v1(17.755,67.2) 17.755,71.52 14.703,74.572 14.703,83.728 16.227,85.252 20.207,85.252 20.455,85.5 v1(21.555,85.5) ; v1(23.155,66.6) 23.255,66.6 24.455,65.4 v1(24.555,65.4)
SWDIO: P800.2 U800.124 | length 61.1
  Top Layer w0.15: v1(17.055,62.1) 17.055,62.8 18.555,64.3 24.355,64.3 26.055,62.6 28.355,62.6 v1(29.155,61.8) ; v1(20.855,85) 22.755,85 23.295,85.54 24.139,85.54 24.178,85.5 24.255,85.5 24.755,85 24.755,84.5 24.455,84.2 P800.2@24.455,83.5 ; v1(29.655,58.8) 29.655,56.8 32.055,54.4 32.255,54.2 U800.124@33.955,54.2
  Bottom Layer w0.15: v1(17.055,62.1) 17.055,64.144 18.507,65.596 18.507,71.124 14.955,74.676 14.955,83.624 16.331,85 v1(20.855,85) ; v1(29.155,61.8) 29.655,61.3 v1(29.655,58.8)
SWO: P800.6 U800.161 | length 24.7
  Top Layer w0.15: U800.161@17.905,60.25 17.905,62.05 18.255,62.4 18.255,63.325 v1(18.292,63.363) ; v1(24.255,78.6) 24.178,78.677 24.178,79.277 24.055,79.4 24.055,80 24.396,80.341 24.396,80.901 P800.6@24.455,80.96
  Bottom Layer w0.15: v1(18.292,63.363) 18.292,63.437 18.643,63.788 18.643,64.188 21.055,66.6 22.255,66.6 23.455,67.8 23.455,73.2 22.955,73.7 22.955,76.255 24.255,77.555 v1(24.255,78.6)
TX_N: J900.2 R907.1 U900.16 | length 24.4
  Top Layer w0.15: J900.2@15.38,67.06 15.38,70.225 15.855,70.7 17.655,70.7 18.503,69.852 20.803,69.852 21.255,69.4 22.53,69.4 22.68,69.55 23.23,69.55 R907.1@23.343,69.663 ; R907.1@23.455,69.775 R907.1@23.343,69.663 ; U900.16@30.355,74.05 29.011,74.05 28.109,74.952 25.901,74.952 25.505,74.556 25.505,71.106 24.855,70.456 24.855,69.7 24.555,69.4 24.43,69.4 24.299,69.531 23.793,69.531 23.774,69.55 23.455,69.55 R907.1@23.343,69.663
TX_P: J900.1 R906.1 U900.17 | length 19.7
  Top Layer w0.15: J900.1@16.65,69.6 20.611,69.6 21.111,69.1 22.555,69.1 22.88,68.775 23.23,68.775 R906.1@23.455,68.55 23.68,68.775 24.03,68.775 24.355,69.1 24.655,69.1 25.107,69.552 25.107,70.352 25.757,71.002 25.757,74.452 26.005,74.7 28.005,74.7 29.155,73.55 U900.17@30.355,73.55
VIN_FUSE: C102.2 C106.2 FB100.1 J100.3 R106.2 U102.5 | length 22.9
  Top Layer w0.3: C102.2@23.495,16.11 24.67,16.11 ; C106.2@29.718,20.742 29.718,19.263 29.055,18.6 26.955,18.6 25.845,17.49 FB100.1@25.845,16.11 24.67,16.11 ; J100.3@30.015,5.2 30.015,7.14 24.67,12.485 24.67,16.11
pads on no net: DC100.14 J300.12 J300.13 J300.14 J300.15 J800.11 J800.12 J900.7 J900.MH1 J900.MH2 P500.6 P500.A P500.B P500.C P800.A P800.B P800.C U100.7 U101.1 U101.3 U500.25 U500.26 U500.27 U500.31 U502.2 U502.3 U502.6 U502.7 U502.9 U502.17 U502.18 U800.2 U800.3 U800.4 U800.5 U800.7 U800.8 U800.9 U800.10 U800.11 U800.12 U800.13 U800.25 U800.32 U800.34 U800.35 U800.40 U800.45 U800.46 U800.51 U800.52 U800.56 U800.57 U800.58 U800.59 U800.60 U800.63 U800.64 U800.65 U800.66 U800.67 U800.68 U800.69 U800.75 U800.76 U800.77 U800.78 U800.83 U800.84 U800.85 U800.86 U800.97 U800.98 U800.99 U800.100 U800.101 U800.104 U800.105 U800.106 U800.107 U800.108 U800.117 U800.119 U800.120 U800.121 U800.122 U800.123 U800.128 U800.129 U800.130 U800.131 U800.132 U800.133 U800.134 U800.138 U800.141 U800.142 U800.143 U800.144 U800.145 U800.146 U800.150 U800.151 U800.153 U800.154 U800.155 U800.156 U800.157 U800.160 U800.163 U800.167 U800.168 U800.169 U800.170 U800.173 U800.174 U800.175 U800.176 U900.1 U900.5 U900.7 U900.8 U900.9 U900.10 U900.11 U900.12 U900.25 U900.33 U900.38 U900.41 U900.42 U900.45 U900.46 Y800.2 Y800.4

## Polygon pours and split planes (outlines as drawn)
ADC-VCM on Top Layer "ADC-VCM_L01_P000" (solid, pour order 0): 56.58,2.61 59.12,2.61 61.205,4.695 61.205,23.2 66.015,28.01 99.76,28.01 101.03,29.28 101.03,30.55 100.18,31.4 63.405,31.4 56.58,24.575
GND on Top Layer "GND_L01_P001" (solid, pour order 1): 32.108,19.842 32.108,25.942 30.408,27.642 25.408,27.642 24.408,26.642 22.008,26.642 22.008,24.842 23.608,23.242 23.608,22.842 24.308,22.842 24.308,22.542 24.208,22.442 23.608,22.442 23.608,21.842 22.408,21.842 22.408,22.642 21.508,23.542 21.508,27.542 22.708,28.742 35.208,28.742 35.508,28.442 35.508,20.242 35.108,19.842
VIN_FUSE on Top Layer "VIN_FUSE_L01_P004" (solid, pour order 4): 28.016,20.242 27.791,20.467 27.791,22.342 27.691,22.442 27.291,22.442 27.291,22.842 28.191,22.842 28.891,22.142 30.191,22.142 30.191,19.942 28.091,19.942
NetC105_1 on Top Layer "NETC105_1_L01_P003" (solid, pour order 3): 26.808,23.342 26.808,24.142 26.308,24.142 26.308,26.042 29.708,26.042 29.708,22.742 28.608,22.742 28.308,23.042 28.308,23.342
GND on Top Layer "GND_L01_P002" (solid, pour order 2): 24.808,22.442 25.308,22.442 25.308,20.217 25.233,20.142 25.308,20.067 25.308,19.842 26.008,19.842 26.008,25.542 25.308,25.542 25.308,22.842 24.908,22.842
GND_ISO on GND "GND_ISO_L02_P008" (solid, pour order 8): 50.455,85.2 101.955,85.2 101.955,51.7 75.455,51.7 73.955,50.2 73.955,47.7 73.455,47.7 71.955,46.2 71.955,36.7 70.455,35.2 63.455,35.2 62.455,34.2 62.455,30.7 55.955,24.2 55.955,10.7 53.455,10.7 53.455,22.2 51.955,23.7 51.955,49.2 50.455,50.7
GND on GND "GND_L02_P005" (solid, pour order 5): 0.955,85.2 0.955,1.2 48.955,1.2 48.955,19.2 46.955,21.2 46.955,47.2 45.955,48.2 45.955,85.2
+3V3A_ISO on Power "+3V3A_ISO_L03_P009" (solid, pour order 9): 59.955,65.2 58.655,63.9 58.655,44.7 59.655,43.7 68.555,43.7 72.555,47.7 72.555,51.1 72.055,51.6 72.055,60 66.855,65.2
ADC-VCM on Power "ADC-VCM_L03_P007" (solid, pour order 7): 64.955,77.7 64.955,66.7 65.955,66.7 72.455,60.2 72.455,51.7 101.955,51.7 101.955,77.7
+3V3D_ISO on Power "+3V3D_ISO_L03_P010" (solid, pour order 10): 64.455,77.7 50.955,77.7 50.455,77.2 50.455,50.7 51.955,49.2 51.955,23.7 53.955,21.7 53.955,13.7 55.455,13.7 56.455,14.7 56.455,24.7 67.955,36.2 71.455,36.2 71.955,36.7 71.955,43.2 59.955,43.2 58.455,44.7 58.455,64.2 59.955,65.7 64.455,65.7
+3V3D on Power "+3V3D_L03_P006" (solid, pour order 6): 0.955,85.2 45.955,85.2 45.955,48.2 46.955,47.2 46.955,21.2 48.955,19.2 48.955,1.2 0.955,1.2

## Other copper
Bottom Layer:
  region net +3V3D: 8.955,24.2

## Silkscreen, mask and mechanical layers (free items; w line width, h text height)
Top Overlay:
  lines w4.08: 48.155,83.95 48.155,55.5 48.155,49.6 49.455,48.3 49.455,22.4 51.255,20.6 51.255,15.2 51.255,2.3
  text "xMU v0.1" at 2.209,14.454 h2
  text "7/20" at 2.209,11.454 h2
  text "Fuse" at 42.601,10.154 h1.5 r90
  text "12V" at 36.254,9.254 h1.5
Mechanical 1:
  lines w0.2: 50.25,0 50.25,86.5 ; 51.5,0 51.5,86.5 ; 52.75,0 52.75,86.5
  text "Box - CNMB/6" at 2.809,-7.346 h1.5
  text "61010 - <300VAC minimum clearance distance 1.5mm" at 54.209,-8.546 h1.5
  text "PCB size - Slot A -86.5x103mm" at 3.154,-11.346 h1.5
Outline:
  the board outline again, w0.254

## Text inside footprints (layer, text, board x,y; h text height)
P801: Top Overlay "2" at 3.787,61.72 h1.27 r270; Top Overlay "1" at 1.247,61.212 h1.27 r270; Top Overlay "7" at 1.247,50.036 h1.27 r270; Top Overlay "8" at 3.787,50.036 h1.27 r270
U500: Top Overlay "*" at 65.336,59.52 h1.27 r270; Mechanical 13 "*" at 65.336,59.52 h1.27 r270